# KiCad board Piunora.kicad_pcb

Outline 53.34 x 68.58 mm; copper layers: Top, In1.Cu, In2.Cu, Bottom. Coordinates in mm from the lower left corner of the outline.
Outline path: 0,67.58 arc(0.29,68.29) 1,68.58 52.34,68.58 arc(53.05,68.29) 53.34,67.58 53.34,4.06 51.82,2.54 40.39,2.54 37.85,0 5.08,0 2.54,2.54 1,2.54 arc(0.29,2.83) 0,3.54 0,67.58

## Placement (name value [footprint] x y rotation side)
@HOLE0  -  [unnamed]  2.54 54.61 0 top
AD  20609  [1X06_ROUND]  2.54 11.43 270 top
C1  10uF  [1206]  20.7 54.86 270 top
C2  10uF  [_0805MP]  46.38 57.89 0 top
C3  10uF  [_0805MP]  46.38 59.46 0 top
C4  10uF  [1206]  34.42 56.44 90 top
C5  10uF  [1206]  18.42 54.86 270 top
C6  10uF  [1206]  43.69 44.27 180 top
C7  10uF  [_0805MP]  16.28 15.9 270 top
C8  10uF  [1206]  43.69 46.61 180 top
C9  10uF  [1206]  43.69 48.92 180 top
C10  10uF  [_0805MP]  32.48 17.61 90 top
C11  10uF  [1206]  22.99 54.86 270 top
C12  0.1uF  [0603-MINI-CAP]  31.55 46.41 270 top
C14  22pF  [0603-MINI-CAP]  39.57 14.33 0 bottom
C15  10uF  [_0805MP]  36.37 13.44 270 bottom
C16  10uF  [_0805MP]  34.85 13.44 270 bottom
C17  10uF  [_0805MP]  36.47 9.93 90 bottom
C18  10uF  [_0805MP]  34.8 9.93 90 bottom
C19  10uF  [_0805MP]  33.38 13.44 270 bottom
C20  10uF  [_0805MP]  31.85 13.44 270 bottom
C21  10uF  [1206]  36.63 56.46 90 top
C22  10uF  [1206]  38.81 56.46 90 top
C23  0.1uF  [0603-MINI-CAP]  14.71 15.8 90 top
C24  10uF  [1206]  16.13 54.86 270 top
C25  0.1uF  [0603-MINI-CAP]  16.05 46.53 0 top
C26  0.1uF  [0603-MINI-CAP]  16.1 50.95 180 top
C27  10uF  [_0805MP]  14.12 53.75 270 top
CN2  -  [HDMI_MOLEX_47151-0001]  8.96 58.95 180 top
CONN1  STEMMA_I2C_QT  [JST_SH4]  50.42 55.25 90 top
IC1  TC7USB42MU,LF  [QFN40P140X180X55-10N]  34.04 46.08 90 top
IC2  MCP3008T-I_SL  [SOIC127P600X175-16N]  10.16 13.33 0 top
IC3  AP3441SHE-7B  [SON50P201X201X60-9N]  39.27 12.42 0 bottom
IC4  MC74VHC1G14DFT1G  [SOT65P210X110-5N]  43.69 16.08 270 top
IC5  AP22802AW5-7  [SOT95P285X130-5N]  16.08 48.84 0 top
IOH  20611  [1X10_ROUND]  50.8 38.35 270 top
IOL  20610  [1X08_ROUND]  50.8 13.97 270 top
J1  ZF1-15-01-T-WT  [ZF1-15-XX-ZZ-WT]  24.49 7.9 180 bottom
J2  1-2199119-1"  [12199119-1]  26.67 19.84 0 bottom
JP1  JUMPER-SMT_2_NO_SILK  [SMT-JUMPER_2_NO_SILK]  14.68 30.15 270 bottom
JP2  JUMPER-SMT_2_NC_TRACE_NO-SILK  [SMT-JUMPER_2_NC_TRACE_NO-SILK]  43.41 11.07 0 bottom
JP3  JUMPER-SMT_2_NC_TRACE_NO-SILK  [SMT-JUMPER_2_NC_TRACE_NO-SILK]  11.58 45.49 0 top
JP4  JUMPER-SMT_2_NO_SILK  [SMT-JUMPER_2_NO_SILK]  36.78 41.55 180 bottom
JP6  JUMPER-SMT_2_NO_NO-SILK-ROUNDED  [SMT-JUMPER_2_NO_NO-SILK-ROUNDED]  29.67 56.29 270 top
JP7  JUMPER-SMT_2_NO_NO-SILK-ROUNDED  [SMT-JUMPER_2_NO_NO-SILK-ROUNDED]  27.63 56.28 270 top
LED5  -  [CHIPLED_0603]  4.67 1.5 225 top
LED6  -  [CHIPLED_0603]  5.59 2.41 45 top
LED7  WS2812B3535  [LED3535]  19.28 66.07 90 top
MP1  WA-SMSI_9774XXX243_9774020243R-UNI  [WA-SMSI_9774020243-UNIVERSAL]  26.67 61.85 180 bottom
MP2  WA-SMSI_9774XXX243_9774020243R-UNI  [WA-SMSI_9774020243-UNIVERSAL]  26.67 49.86 180 bottom
POWER  20610  [1X08_ROUND]  2.54 31.75 270 top
R1  10K  [_0603MP]  47.29 51.93 135 top
R2  100k  [_0603MP]  39.57 16.41 0 bottom
R3  5.1K  [_0603MP]  36.92 61.11 90 top
R4  10K  [_0603MP]  45.9 55.73 135 top
R5  450k  [_0603MP]  39.6 15.39 180 bottom
R6  10k  [_0603MP]  41.94 15.72 90 top
R7  1k  [_0603MP]  46.2 14.33 270 top
R8  5.1K  [_0603MP]  36.92 64.07 270 top
S1  -  [SLIDE-SWITCH]  50.52 63.15 90 top
S2  -  [RIGHT-ANGLE-TACT-BTN]  16.79 1.95 0 top
TP1  TEST-POINT3X5  [PAD-1.5X2.0]  7.44 8.46 270 bottom
TP2  TEST-POINT3X5  [PAD-1.5X2.0]  7.44 10.69 270 bottom
TP3  TEST-POINT  [PAD-2MM]  34.8 37.92 180 bottom
TP4  TEST-POINT  [PAD-2MM]  16.79 41.27 180 bottom
U$2  -  [RASPBERRYPI-CM4]  9.65 30.99 270 top
U$6  -  [DIODES-DELIGHT-LOGO-15X15]  20.07 32.97 0 top
U$10  -  [DIODES-DELIGHT-LOGO-15X15-BTM]  33.2 32.94 180 bottom
U$11  -  [JE-USB-A-C42595]  28.65 62.69 180 top
U$13  -  [XKB-XKTF-015-N]  30.91 15.09 0 top
U$14  -  [4.5MM-TACT-SW]  3.91 42.85 90 top
U$19  -  [PIUNORA-TOP-SILK]  1.18 0.38 0 top
U$22  -  [PIUNORA-REV1-TOP]  17.04 23.32 0 top
U$23  -  [PIUNORA-BOTTOM-SILK]  3.66 4.19 0 top
U$27  -  [INDUCTOR]  42.93 14.53 90 bottom
U$34  -  [PIUNORA-URL]  8.53 13.36 0 top
U$37  SIM-NANO  [SIM07]  5.56 66.53 0 bottom
U$48  -  [TV_OUT0]  18.43 42.81 180 bottom
U$50  -  [RESET0]  16.01 31.84 180 bottom
U$51  -  [260]  35.66 41.58 180 bottom
U$52  -  [EN0]  39.4 41.58 180 bottom
U$53  -  [260]  15.39 28.44 180 bottom
U$54  -  [1#8V0]  38.1 37.83 180 bottom
U$55  -  [M#20]  43.59 9.98 180 bottom
U$56  -  [5V0]  44.82 9.97 180 bottom
U$57  -  [GND0]  46.74 9.74 180 bottom
X4  USB C  [USB-TYPE-C_16PIN-MALE-TYPE-C-31-M-12]  42.9 64.08 180 top

## Footprints (pads in the part's own frame, mm; a bottom-side part is the same pattern mirrored in y, then rotated)
1X06_ROUND
  round 1.93 hole 1: 1(-6.35,0) 2(-3.81,0) 3(-1.27,0) 4(1.27,0) 5(3.81,0) 6(6.35,0)
1X08_ROUND
  round 1.93 hole 1: 1(-8.89,0) 2(-6.35,0) 3(-3.81,0) 4(-1.27,0) 5(1.27,0) 6(3.81,0) 7(6.35,0) 8(8.89,0)
1X10_ROUND
  round 1.93 hole 1: 1(-11.43,0) 2(-8.89,0) 3(-6.35,0) 4(-3.81,0) 5(-1.27,0) 6(1.27,0) 7(3.81,0) 8(6.35,0) 9(8.89,0) 10(11.43,0)
4.5MM-TACT-SW
  rect 1.4x0.9 smd: P1(0.7,0) P2(6.8,0) P3(0.6,3) P4(6.8,3)
0603-MINI-CAP
  rect 0.9x0.9 smd: 1(-0.75,0) 2(0.75,0)
1206
  rect 1.6x1.8 smd: 1(-1.4,0) 2(1.4,0)
12199119-1
  round 1.15 hole 1.15 unplated: (-10,-1.775)
  round 1.65 hole 1.65 unplated: (10,-1.775)
  rect 0.3x1.55 smd: 1(-9.25,3.5) 2(-9,-4.05) 3(-8.75,3.5) 4(-8.5,-4.05) 5(-8.25,3.5) 6(-8,-4.05) 7(-7.75,3.5) 8(-7.5,-4.05) 9(-7.25,3.5) 10(-7,-4.05) 11(-6.75,3.5) 20(-4.5,-4.05) 21(-4.25,3.5) 22(-4,-4.05) 23(-3.75,3.5) 24(-3.5,-4.05) 25(-3.25,3.5) 26(-3,-4.05) 27(-2.75,3.5) 28(-2.5,-4.05) 29(-2.25,3.5) 30(-2,-4.05) 31(-1.75,3.5) 32(-1.5,-4.05) 33(-1.25,3.5) 34(-1,-4.05) 35(-0.75,3.5) 36(-0.5,-4.05) 37(-0.25,3.5) 38(0,-4.05) 39(0.25,3.5) 40(0.5,-4.05) 41(0.75,3.5) 42(1,-4.05) 43(1.25,3.5) 44(1.5,-4.05) 45(1.75,3.5) 46(2,-4.05) 47(2.25,3.5) 48(2.5,-4.05) 49(2.75,3.5) 50(3,-4.05) 51(3.25,3.5) 52(3.5,-4.05) 53(3.75,3.5) 54(4,-4.05) 55(4.25,3.5) 56(4.5,-4.05) 57(4.75,3.5) 58(5,-4.05) 59(5.25,3.5) 60(5.5,-4.05) 61(5.75,3.5) 62(6,-4.05) 63(6.25,3.5) 64(6.5,-4.05) 65(6.75,3.5) 66(7,-4.05) 67(7.25,3.5) 68(7.5,-4.05) 69(7.75,3.5) 70(8,-4.05) 71(8.25,3.5) 72(8.5,-4.05) 73(8.75,3.5) 74(9,-4.05) 75(9.25,3.5)
  rect 1.2x2.75 smd: MP1(-10.35,2.725) MP2(10.35,2.725)
_0603MP
  rect 0.8x0.8 smd: 1(-0.762,0) 2(0.762,0)
_0805MP
  rect 1.2x1.3 smd: 1(-1.016,0) 2(1.016,0)
CHIPLED_0603
  rect 0.8x0.8 smd: A(0,-0.75) C(0,0.75)
HDMI_MOLEX_47151-0001
  rect 0.3x2.6 smd: 1(4.5,0) 2(4,0) 3(3.5,0) 4(3,0) 5(2.5,0) 6(2,0) 7(1.5,0) 8(1,0) 9(0.5,0) 10(0,0) 11(-0.5,0) 12(-1,0) 13(-1.5,0) 14(-2,0) 15(-2.5,0) 16(-3,0) 17(-3.5,0) 18(-4,0) 19(-4.5,0)
  oval 1.65x3.3 hole 0.9: P$1(-7.25,-0.76) P$2(7.25,-0.76)
  oval 1.5x3 hole 0.9: P$3(7.25,-6.72) P$4(-7.25,-6.72)
INDUCTOR
  rect 1.1x3.8 smd: P$1(-1.5,0) P$2(1.5,0)
JE-USB-A-C42595
  rect 1.25x3 smd: D+(1,4.8) D-(-1,4.8)
  rect 1.25x3.3 smd: GND(3.5,4.65) VBUS(-3.5,4.65)
  oval 1.2x2.4 hole 0.4: SHIELD-1(-6.45,-3.75) SHIELD-2(6.45,-3.75)
JST_SH4
  rect 0.6x1.55 smd: 1(-1.5,2.514) 2(-0.5,2.514) 3(0.5,2.514) 4(1.5,2.514)
  rect 1.2x1.8 smd: MT1(-2.8,-1.386) MT2(2.8,-1.386)
LED3535
  rect 1x0.85 smd: 1(-1.75,0.875) 2(-1.75,-0.875) 3(1.75,-0.875) 4(1.75,0.875)
PAD-1.5X2.0
  rect 1.5x2 smd: P$1(0,0)
PAD-2MM
  rrect 2x2 smd: P$1(0,0)
QFN40P140X180X55-10N
  rect 0.8x0.2 smd: 1(-0.7,0.2) 2(-0.7,-0.2) 6(0.7,-0.2) 7(0.7,0.2)
  rect 0.2x0.8 smd: 3(-0.4,-0.9) 4(0,-0.9) 5(0.4,-0.9) 8(0.4,0.9) 9(0,0.9) 10(-0.4,0.9)
RASPBERRYPI-CM4
  round 2.7 hole 2.7 unplated: (-21.5,33.5) (-21.5,0.5) (26.5,33.5) (26.5,0.5)
  rect 0.2x0.7 smd: 1(9.8,35.54) 2(9.8,32.46) 3(9.4,35.54) 4(9.4,32.46) 5(9,35.54) 6(9,32.46) 7(8.6,35.54) 8(8.6,32.46) 9(8.2,35.54) 10(8.2,32.46) 11(7.8,35.54) 12(7.8,32.46) 13(7.4,35.54) 14(7.4,32.46) 15(7,35.54) 16(7,32.46) 17(6.6,35.54) 18(6.6,32.46) 19(6.2,35.54) 20(6.2,32.46) 21(5.8,35.54) 22(5.8,32.46) 23(5.4,35.54) 24(5.4,32.46) 25(5,35.54) 26(5,32.46) 27(4.6,35.54) 28(4.6,32.46) 29(4.2,35.54) 30(4.2,32.46) 31(3.8,35.54) 32(3.8,32.46) 33(3.4,35.54) 34(3.4,32.46) 35(3,35.54) 36(3,32.46) 37(2.6,35.54) 38(2.6,32.46) 39(2.2,35.54) 40(2.2,32.46) 41(1.8,35.54) 42(1.8,32.46) 43(1.4,35.54) 44(1.4,32.46) 45(1,35.54) 46(1,32.46) 47(0.6,35.54) 48(0.6,32.46) 49(0.2,35.54) 50(0.2,32.46) 51(-0.2,35.54) 52(-0.2,32.46) 53(-0.6,35.54) 54(-0.6,32.46) 55(-1,35.54) 56(-1,32.46) 57(-1.4,35.54) 58(-1.4,32.46) 59(-1.8,35.54) 60(-1.8,32.46) 61(-2.2,35.54) 62(-2.2,32.46) 63(-2.6,35.54) 64(-2.6,32.46) 65(-3,35.54) 66(-3,32.46) 67(-3.4,35.54) 68(-3.4,32.46) 69(-3.8,35.54) 70(-3.8,32.46) 71(-4.2,35.54) 72(-4.2,32.46) 73(-4.6,35.54) 74(-4.6,32.46) 75(-5,35.54) 76(-5,32.46) 77(-5.4,35.54) 78(-5.4,32.46) 79(-5.8,35.54) 80(-5.8,32.46) 81(-6.2,35.54) 82(-6.2,32.46) 83(-6.6,35.54) 84(-6.6,32.46) 85(-7,35.54) 86(-7,32.46) 87(-7.4,35.54) 88(-7.4,32.46) 89(-7.8,35.54) 90(-7.8,32.46) 91(-8.2,35.54) 92(-8.2,32.46) 93(-8.6,35.54) 94(-8.6,32.46) 95(-9,35.54) 96(-9,32.46) 97(-9.4,35.54) 98(-9.4,32.46) 99(-9.8,35.54) 100(-9.8,32.46) 101(9.8,1.54) 102(9.8,-1.54) 103(9.4,1.54) 104(9.4,-1.54) 105(9,1.54) 106(9,-1.54) 107(8.6,1.54) 108(8.6,-1.54) 109(8.2,1.54) 110(8.2,-1.54) 111(7.8,1.54) 112(7.8,-1.54) 113(7.4,1.54) 114(7.4,-1.54) 115(7,1.54) 116(7,-1.54) 117(6.6,1.54) 118(6.6,-1.54) 119(6.2,1.54) 120(6.2,-1.54) 121(5.8,1.54) 122(5.8,-1.54) 123(5.4,1.54) 124(5.4,-1.54) 125(5,1.54) 126(5,-1.54) 127(4.6,1.54) 128(4.6,-1.54) 129(4.2,1.54) 130(4.2,-1.54) 131(3.8,1.54) 132(3.8,-1.54) 133(3.4,1.54) 134(3.4,-1.54) 135(3,1.54) 136(3,-1.54) 137(2.6,1.54) 138(2.6,-1.54) 139(2.2,1.54) 140(2.2,-1.54) 141(1.8,1.54) 142(1.8,-1.54) 143(1.4,1.54) 144(1.4,-1.54) 145(1,1.54) 146(1,-1.54) 147(0.6,1.54) 148(0.6,-1.54) 149(0.2,1.54) 150(0.2,-1.54) 151(-0.2,1.54) 152(-0.2,-1.54) 153(-0.6,1.54) 154(-0.6,-1.54) 155(-1,1.54) 156(-1,-1.54) 157(-1.4,1.54) 158(-1.4,-1.54) 159(-1.8,1.54) 160(-1.8,-1.54) 161(-2.2,1.54) 162(-2.2,-1.54) 163(-2.6,1.54) 164(-2.6,-1.54) 165(-3,1.54) 166(-3,-1.54) 167(-3.4,1.54) 168(-3.4,-1.54) 169(-3.8,1.54) 170(-3.8,-1.54) 171(-4.2,1.54) 172(-4.2,-1.54) 173(-4.6,1.54) 174(-4.6,-1.54) 175(-5,1.54) 176(-5,-1.54) 177(-5.4,1.54) 178(-5.4,-1.54) 179(-5.8,1.54) 180(-5.8,-1.54) 181(-6.2,1.54) 182(-6.2,-1.54) 183(-6.6,1.54) 184(-6.6,-1.54) 185(-7,1.54) 186(-7,-1.54) 187(-7.4,1.54) 188(-7.4,-1.54) 189(-7.8,1.54) 190(-7.8,-1.54) 191(-8.2,1.54) 192(-8.2,-1.54) 193(-8.6,1.54) 194(-8.6,-1.54) 195(-9,1.54) 196(-9,-1.54) 197(-9.4,1.54) 198(-9.4,-1.54) 199(-9.8,1.54) 200(-9.8,-1.54)
RIGHT-ANGLE-TACT-BTN
  round 0.85 hole 0.85 unplated: (0,1.375) (0,-1.375)
  rrect 1.55x1 smd: 1(2.625,0.85)
  rect 1.55x1 smd: 2(2.625,-0.85) 3(-2.625,0.85) 4(-2.625,-0.85)
SIM07
  rect 0.45x1 smd: C1-1(6.43,0) C1-2(5.08,0) C2-1(3.89,0) C2-2(2.54,0) C3-1(1.35,0) C3-2(0,0)
  rect 0.75x1.15 smd: C5(5.78,10.83) C6(3.21,10.83) C7(1.32,10.83) CD(4.73,10.83)
  rect 0.9x1.9 smd: SHIELD1(-1.44,0.55) SHIELD2(7.87,0.55) SHIELD3(7.87,8.99) SHIELD4(-1.44,8.99)
  rect 1.4x1.35 smd: SHIELD5(-0.39,10.93)
  rect 1.05x1 smd: SHIELD6(6.99,11.04)
SLIDE-SWITCH
  round 0.9 hole 0.9 unplated: (-1.5,0) (1.5,0)
  rect 0.7x1.5 smd: 1(-2.25,1.75) 2(0.75,1.75) 3(2.25,1.75)
  rect 1x0.8 smd: 4(-3.65,1.1) 5(-3.65,-1.1) 6(3.65,1.1) 7(3.65,-1.1)
SMT-JUMPER_2_NC_TRACE_NO-SILK
  rect 0.635x1.27 smd: 1(-0.508,0) 2(0.508,0)
SMT-JUMPER_2_NO_NO-SILK-ROUNDED
  rrect 0.508x1.143 smd: 1(-0.356,0) 2(0.356,0)
SMT-JUMPER_2_NO_SILK
  rect 0.635x1.27 smd: 1(-0.406,0) 2(0.406,0)
SOIC127P600X175-16N
  rect 1.5x0.65 smd: 1(-2.7,4.445) 2(-2.7,3.175) 3(-2.7,1.905) 4(-2.7,0.635) 5(-2.7,-0.635) 6(-2.7,-1.905) 7(-2.7,-3.175) 8(-2.7,-4.445) 9(2.7,-4.445) 10(2.7,-3.175) 11(2.7,-1.905) 12(2.7,-0.635) 13(2.7,0.635) 14(2.7,1.905) 15(2.7,3.175) 16(2.7,4.445)
SON50P201X201X60-9N
  rect 0.7x0.3 smd: 1(-1.05,0.75) 2(-1.05,0.25) 3(-1.05,-0.25) 4(-1.05,-0.75) 5(1.05,-0.75) 6(1.05,-0.25) 7(1.05,0.25) 8(1.05,0.75)
  rect 1x1.8 smd: 9(0,0)
SOT65P210X110-5N
  rect 0.85x0.4 smd: 1(-1.05,0.65) 2(-1.05,0) 3(-1.05,-0.65) 4(1.05,-0.65) 5(1.05,0.65)
SOT95P285X130-5N
  rect 1.15x0.6 smd: 1(-1.3,0.95) 2(-1.3,0) 3(-1.3,-0.95) 4(1.3,-0.95) 5(1.3,0.95)
unnamed
  round 3.2 hole 3.2 unplated: (0,0)
USB-TYPE-C_16PIN-MALE-TYPE-C-31-M-12
  round 0.75 hole 0.75 unplated: (-2.89,1.026) (2.89,1.026)
  oval 1.2x2.4 hole 0.7: 0(-4.32,1.556) 0-1(4.32,1.556) 0-2(4.32,-2.624) 0-3(-4.32,-2.624)
  rect 0.3x1.3 smd: A1(-3.35,2.623) A4(-2.55,2.623) A5(-1.25,2.623) A6(-0.25,2.623) A7(0.25,2.623) A8(1.25,2.624) A9(2.55,2.623) A12(3.35,2.623) B1(3.05,2.623) B4(2.25,2.623) B5(1.75,2.623) B6(0.75,2.623) B7(-0.75,2.623) B8(-1.75,2.624) B9(-2.25,2.623) B12(-3.05,2.623)
WA-SMSI_9774020243-UNIVERSAL
  round 3.82 hole 3.82 unplated: (0,0)
  rrect 6.2x6.2 smd: 1(0,0)
XKB-XKTF-015-N
  round 1 hole 1 unplated: (-7.15,-11) (0.85,-11)
  rect 0.7x1.6 smd: P1(0,0) P2(-1.1,0) P3(-2.2,0) P4(-3.3,0) P5(-4.4,0) P6(-5.5,0) P7(-6.6,0) P8(-7.7,0) P9(-8.8,0)
  rect 1.6x1.5 smd: P10(4.65,-1)
  rect 1.2x1.5 smd: P11(-9.95,-1)
  rect 1.2x2.2 smd: P12(-9.95,-10.6) P13(5.55,-10.6)
ZF1-15-XX-ZZ-WT
  rect 0.6x1.8 smd: 1(-7,0) 2(-6,0) 3(-5,0) 4(-4,0) 5(-3,0) 6(-2,0) 7(-1,0) 8(0,0) 9(1,0) 10(2,0) 11(3,0) 12(4,0) 13(5,0) 14(6,0) 15(7,0)
  rect 2.4x2.5 smd: 16(-9.2,-2.54) 17(9.2,-2.54)

## Nets
1.8V: TP3.P$1 U$2.88 U$2.90
3.3V: C7.1 C10.1 C12.2 C23.2 CONN1.2 IC1.9 IC2.15 IC2.16 IC4.5 IOH.3 J1.15 LED6.A LED7.2 POWER.2 POWER.4 R1.1 R4.1 S1.1 U$2.78 U$2.84 U$2.86 U$13.P4
5V-M.2: C17.1 C18.1 IC3.3 JP2.1
5V_HDMI: C26.2 C27.1 CN2.18 IC5.1
+5V: C1.1 C2.1 C3.1 C4.1 C5.1 C6.1 C8.1 C9.1 C11.1 C21.1 C22.1 C24.1 C25.2 IC5.4 IC5.5 JP2.2 POWER.5 POWER.8 U$2.77 U$2.79 U$2.81 U$2.83 U$2.85 U$2.87 U$11.VBUS X4.A4 X4.A9 X4.B4 X4.B9
GND: C1.2 C2.2 C3.2 C4.2 C5.2 C6.2 C7.2 C8.2 C9.2 C10.2 C11.2 C12.1 C15.2 C16.2 C17.2 C18.2 C19.2 C20.2 C21.2 C22.2 C23.1 C24.2 C25.1 C26.1 C27.2 CN2.2 CN2.5 CN2.8 CN2.11 CN2.17 CN2.P$1 CN2.P$2 CN2.P$3 CN2.P$4 CONN1.1 CONN1.MT1 CONN1.MT2 IC1.3 IC1.8 IC2.9 IC2.14 IC3.4 IC3.8 IC3.9 IC4.3 IC5.2 IOH.4 J1.1 J1.4 J1.7 J1.10 J1.16 J1.17 J2.3 J2.5 J2.11 J2.27 J2.33 J2.39 J2.45 J2.51 J2.57 J2.71 J2.73 LED5.C LED7.4 MP1.1 MP2.1 POWER.1 POWER.6 POWER.7 R2.2 R3.1 R8.1 S1.3 S2.2 S2.4 U$2.1 U$2.2 U$2.7 U$2.8 U$2.13 U$2.14 U$2.22 U$2.23 U$2.32 U$2.33 U$2.42 U$2.43 U$2.52 U$2.53 U$2.59 U$2.60 U$2.65 U$2.66 U$2.71 U$2.74 U$2.98 U$2.107 U$2.108 U$2.113 U$2.114 U$2.119 U$2.120 U$2.125 U$2.126 U$2.131 U$2.132 U$2.137 U$2.138 U$2.144 U$2.150 U$2.155 U$2.156 U$2.161 U$2.162 U$2.167 U$2.168 U$2.173 U$2.174 U$2.179 U$2.180 U$2.185 U$2.186 U$2.191 U$2.192 U$2.197 U$2.198 U$11.GND U$11.SHIELD-1 U$11.SHIELD-2 U$13.P6 U$13.P10 U$13.P11 U$13.P12 U$13.P13 U$14.P1 U$14.P2 U$37.C5 U$37.SHIELD1 U$37.SHIELD2 U$37.SHIELD3 U$37.SHIELD4 U$37.SHIELD5 U$37.SHIELD6 X4.0 X4.0-1 X4.0-2 X4.0-3 X4.A1 X4.A12 X4.B1 X4.B12
1D_N: IC1.4 JP6.1 U$11.D-
1D_P: IC1.5 JP7.1 U$11.D+
2D_N: IC1.6 X4.A7 X4.B7
2D_P: IC1.7 X4.A6 X4.B6
3.3-M.2: C14.2 C15.1 C16.1 C19.1 C20.1 J2.2 J2.4 J2.70 J2.72 J2.74 R5.1 U$27.P$2
ACTIVITY-LED: LED6.C R7.2
AD0: AD.1 IC2.1
AD1: AD.2 IC2.2
AD2: AD.3 IC2.3
AD3: AD.4 IC2.4
AD4: AD.5 IC2.5
AD5: AD.6 IC2.6
AD6: IC2.7 TP2.P$1
AD7: IC2.8 TP1.P$1
AIN0: U$2.96
AIN1: U$2.94
CAM1_C_N: J1.8 U$2.127
CAM1_C_P: J1.9 U$2.129
CAM1_D0_N: J1.2 U$2.115
CAM1_D0_P: J1.3 U$2.117
CAM1_D1_N: J1.5 U$2.121
CAM1_D1_P: J1.6 U$2.123
CAM1_D2_N: U$2.133
CAM1_D2_P: U$2.135
CAM1_D3_N: U$2.139
CAM1_D3_P: U$2.141
CAMERA_GPIO: J1.11 U$2.97
CEC: CN2.13 U$2.151
GLOBAL_EN: JP4.1 U$2.99
GPIO4: IOL.7 U$2.54
GPIO5: IOL.8 U$2.34
GPIO6: IOH.10 U$2.30
GPIO7: IOH.9 U$2.37
GPIO8: IOH.8 U$2.39
GPIO9: IOH.6 U$2.40
GPIO10: IOH.7 U$2.44
GPIO11: IOH.5 U$2.38
GPIO12: LED7.1 U$2.31
GPIO13: IC2.12 U$2.28
GPIO14: IC2.11 U$2.55
GPIO15: IC2.13 U$2.51
GPIO16: J2.10 U$2.29
GPIO17: J2.8 U$2.50
GPIO18: IOL.6 U$2.49
GPIO19: IOL.5 U$2.26
GPIO20: IOL.4 U$2.27
GPIO21: IOL.3 U$2.25
GPIO22: IOL.2 U$2.46
GPIO23: IOL.1 U$2.47
GPIO24: IC2.10 U$2.45
GPIO25: JP3.1 U$2.41 U$14.P3 U$14.P4
GPIO26: JP1.2 JP4.2 S2.1 S2.3 U$2.24
GPIO27: J2.6 U$2.48
HDMI_CK_N: CN2.12 U$2.190
HDMI_CK_P: CN2.10 U$2.188
HDMI_D0_N: CN2.9 U$2.184
HDMI_D0_P: CN2.7 U$2.182
HDMI_D1_N: CN2.6 U$2.178
HDMI_D1_P: CN2.4 U$2.176
HDMI_D2_N: CN2.3 U$2.172
HDMI_D2_P: CN2.1 U$2.170
HDMI_SCL: CN2.15 U$2.200
HDMI_SDA: CN2.16 U$2.199
HOTPLUG: CN2.19 U$2.153
ID_SC: U$2.35
ID_SD: U$2.36
M2_USB_N: J2.9 JP6.2
M2_USB_P: J2.7 JP7.2
N$7: R8.2 X4.A5
N$8: R3.2 X4.B5
N$19: IC3.6 U$27.P$1
N$22: C14.1 IC3.1 R2.1 R5.2
PCIE_CLK_N: J2.53 U$2.112
PCIE_CLK_P: J2.55 U$2.110
PCIE_RX_N: J2.41 U$2.118
PCIE_RX_P: J2.43 U$2.116
PCIE_TX_N: J2.47 U$2.124
PCIE_TX_P: J2.49 U$2.122
POWER-LED: LED5.A R6.2
PWR_LED: IC4.4 R6.1
RUN_PG: IC3.7 JP1.1 POWER.3 U$2.92
SCL0: J1.13 U$2.80
SCL1: CONN1.4 IOH.1 R1.2 U$2.56
SD_CLK: U$2.57 U$13.P5
SD_CMD: U$2.62 U$13.P3
SD_DAT0: U$2.63 U$13.P7
SD_DAT1: U$2.67 U$13.P8
SD_DAT2: U$2.69 U$13.P1
SD_DAT3: U$2.61 U$13.P2
SDA0: J1.14 U$2.82
SDA1: CONN1.3 IOH.2 R4.2 U$2.58
TV_OUT: TP4.P$1 U$2.111
UIM-CLK: J2.32 U$37.C3-1 U$37.C3-2
UIM-DATA: J2.34 U$37.C7
UIM-PWR: J2.36 U$37.C1-1 U$37.C1-2 U$37.C6
UIM-RESET: J2.30 U$37.C2-1 U$37.C2-2
USB2_N: IC1.2 U$2.103
USB2_P: IC1.1 U$2.105
USB-SELECT: IC1.10 S1.2 U$2.101
~{BT_DISABLE}: U$2.91
~{EEPROM_WP}: U$2.20
~{EXTRST}: U$2.100
~{PCIE_CLK_REQ}: J2.52 U$2.102
~{PCIE_RST}: J2.50 U$2.109
~{PI_LED_ACTIVITY}: R7.1 U$2.21
~{PWR_LED}: IC4.2 U$2.95
~{RPIBOOT}: JP3.2 U$2.93
~{WL_DISABLE}: U$2.89

Pads without a net: CN2 14; IC3 2 5; IC4 1; IC5 3; J1 12; J2 1 20 21 22 23 24 25 26 28 29 31 35 37 38 40 42 44 46 48 54 56 58 59 60 61 62 63 64 65 66 67 68 69 75 MP1 MP2; LED7 3; S1 4 5 6 7; U$2 3 4 5 6 9 10 11 12 15 16 17 18 19 64 68 70 72 73 75 76 104 106 128 130 134 136 140 142 143 145 146 147 148 149 152 154 157 158 159 160 163 164 165 166 169 171 175 177 181 183 187 189 193 194 195 196; U$13 P9; U$37 CD; X4 A8 B8

## Via types
v1: diameter 0.46, hole 0.2, Top to Bottom, 490 vias
v2: diameter 0.61, hole 0.35, Top to Bottom, 74 vias
v3: diameter 0.51, hole 0.25, Top to Bottom, 6 vias

## Routing (per net, layer and track width the routed paths; a pad name or vN(x,y) marks a point on that pad's centre or on a via; arc(x,y) is an arc through that point)
1.8V: length 9
  Top w0.152: U$2.88 U$2.90 40.11,38.79 v1(38.79,37.47)
  In1.Cu w0.152: v1(38.79,37.47) 37.72,38.53 35.41,38.53 TP3.P$1
3.3V: length 125.1
  Top w0.127: U$2.84 42.12,37.59 42.57,37.59 42.72,37.44 42.72,36.53 42.59,36.39 U$2.78 ; v1(42.42,9.22) 42.42,12.75 44.34,14.67 IC4.5 ; LED7.2 20.15,63.59 21.08,62.66 22.33,62.66 23.04,63.37 23.04,64.06 24.79,65.81 28.91,65.81 31.04,63.68 31.04,55.32 33.2,53.16 v1(34.04,53.16)
  Top w0.203: C12.2 31.87,46.08 IC1.9 ; C7.1 15.94,16.58
  Top w0.254: R4.1 46.88,54.75 CONN1.2 ; v1(48.54,60.35) 48.54,60.66 S1.1
  Top w0.305: v3(7.67,3.07) 7.31,3.07 LED6.A ; v1(31.52,44.91) 31.52,45.73 C12.2 ; U$2.86 41.49,37.99 v1(41.27,38.2) 40.77,38.2 v1(40.74,38.18) ; v1(40.74,37.67) 40.77,37.69 v1(41.27,37.69) 41.38,37.59 U$2.84 ; U$13.P4 27.61,16.1 28.01,16.5 32.38,16.5 C10.1 33.45,16.84 35.84,19.23 35.84,19.79 36.32,20.27 37.97,20.27 38.23,20.52 v1(38.23,21.26) v1(38.23,21.79) v1(38.23,22.33)
  Top w0.406: v2(14.5,18.14) 14.71,17.93 C23.2 ; R4.1 45.64,54.34 v1(45.64,53.95) 45.64,51.7 46.12,51.23 47.67,51.23 R1.1 47.85,51.37 47.85,46.41 47.88,46.41 49.58,44.7 IOH.3 ; C23.2 14.86,16.7 ; C23.2 14.65,16.51 IC2.15 IC2.16 ; C23.2 15.91,16.55 15.94,16.58 15.82,16.62
  Top w0.508: POWER.4 4.17,33.02 5.21,31.98 v1(5.21,29.29)
  In1.Cu w0.254: v1(45.64,53.95) 48.74,57.05 48.74,60.15 v1(48.54,60.35)
  In1.Cu w0.305: 17.5,5.44 17.5,6.82 17.49,6.83 J1.15 ; 17.5,5.44 17.48,5.46 v2(17.48,4.44) ; 17.5,5.44 18.19,4.75 v2(18.19,4.47) ; v2(40.35,49.37) v2(40.35,50.07) v2(40.35,50.77) v2(40.35,51.47) 40.83,51.47 41.83,50.47 44.35,50.47 45.64,51.77 v1(45.64,53.95)
  In1.Cu w0.406: v2(14.5,18.14) 14.5,20.27 14.96,20.73 14.96,24.28 15.8,25.12 v2(15.8,28.27) 16.23,28.7 v2(16.43,28.7) 16.97,29.24 v2(16.99,29.24)
  In2.Cu w0.508: v1(5.71,29.29) v1(5.21,29.29) v1(4.67,29.29)
5V_HDMI: length 12.6
  Top w0.203: C26.2 14.78,50.38 IC5.1 14.78,50.25 13.08,51.94 13.08,54.43 13.41,54.76 C27.1 14.12,55.73 12.96,56.89 CN2.18
+5V: length 105.5
  Top w0.203: C25.2 17.38,47.11 IC5.4 IC5.5 18.68,49.79 v2(18.72,49.83)
  Top w0.254: X4.B9 X4.A4 45.31,61.32 45.31,61 ; X4.A9 40.42,61.52 40.59,61.52 X4.B4
  Top w0.305: U$2.87 46.2,38.39 v2(46.2,38.3) ; U$2.85 46.08,37.99 ; 46.08,37.99 46.08,37.36 ; 46.08,37.99 46.2,37.99 v2(46.2,38.3) ; 46.08,37.36 46.08,36.39 U$2.77 ; 46.08,37.36 46.08,36.79 U$2.79 ; 40.5,61.31 40.53,61.34 40.53,61.36 40.63,61.46 X4.B4 ; U$2.83 46.1,37.59 46.1,38.2 v2(46.2,38.3) ; v2(46.2,38.3) 46.05,38.15 46.05,37.19 U$2.81
  Top w0.406: 40.5,60.78 40.5,61.31
  Top w0.508: C3.1 44.89,59.93 v2(44.55,59.93) ; C3.1 45.14,59.23 v2(44.55,59.23) ; C3.1 45.34,59.49 45.34,61.02 45.31,61 ; C3.1 C2.1 ; C2.1 45.05,57.89 v2(44.55,57.39) ; C2.1 45.2,57.89 v2(44.55,58.53) ; C4.1 34.44,55.06 C21.1 C22.1 39.09,55.07
  Top w0.61: 40.5,60.78 40.5,56.48 39.09,55.07
  In1.Cu w0.203: v2(18.72,49.83) 15.7,49.83 14.25,51.28 14.25,55.12 15.21,56.08 15.85,56.08 16.81,57.04 v2(16.81,57.18) ; 43.94,11.07 JP2.2
  In1.Cu w0.305: 43.94,11.07 44.15,10.87 44.26,10.87 v1(44.39,11) ; 43.94,11.07 44.36,10.66 v1(44.36,10.45) 44.02,10.45 ; 43.94,11.07 JP2.2 43.68,10.94 v1(43.68,10.43) 43.78,10.53 44.02,10.53 ; 43.94,11.07 43.93,11.09 ; 43.92,11.1 43.93,11.09 ; 43.93,11.09 v1(44.39,11.54) ; 36.47,8.92 34.8,8.92 ; 36.47,8.92 36.54,9.13 37.46,10.06 37.46,12.67 38.22,12.67 ; 36.47,8.92 36.53,9.11 38.07,10.65 42.9,10.65 42.9,11.07
  In1.Cu w0.406: 44.02,10.49 44.02,10.48 43.7,10.48 v1(43.7,10.97) ; 44.02,10.49 44.02,10.53 ; 44.02,10.49 44.02,10.45
  In1.Cu w0.508: 42.9,11.07 43.89,11.07
  In2.Cu w0.406: POWER.8 1.4,22.86 0.84,23.42 0.84,29.64 1.68,30.48 POWER.5 4.9,30.48 5.71,31.29 5.71,55.94
  vias: v1(43.7,11.53) v2(15.35,57.17) v2(16.05,57.17) v2(17.9,57.2) v2(18.74,57.2) v2(19.53,57.2) v2(20.29,57.2) v2(21.01,57.23) v2(21.69,57.2) v2(22.4,57.23) v2(23.11,57.2) v2(23.77,57.2) v2(33.55,56.07) v2(34.25,56.07) v2(34.95,56.07) v2(35.75,56.07) v2(36.45,56.07) v2(37.15,56.07) v2(38.05,56.07) v2(38.85,56.07) v2(39.67,55.65) v2(40.41,56.11) v2(45.49,49.63) v2(45.49,48.97) v2(45.47,47.6) v2(45.47,46.96) v2(45.47,45.57) v2(45.47,44.86) v2(45.47,43.97) v2(45.47,43.28) v2(47.42,41.66) v2(47.45,38.71) v2(48.01,43.54)
GND: length 43.1
  Top w0.127: v1(8.97,23.57) 8.13,23.57 U$2.114 ; 11.99,24.54 11.74,24.79 U$2.119 ; v1(41.12,27.33) 41.41,27.33 41.55,27.19 U$2.32 ; v1(41.3,34.37) 41.68,33.99 U$2.66 ; U$2.22 42.71,25.19 42.85,25.04 42.85,23.72 42.71,23.59 U$2.14 ; U$2.74 41.53,35.59 41.35,35.76 41.35,36.37 41.17,36.55 40.51,36.55 v1(40.11,36.14) ; U$2.60 42.7,32.79 42.93,32.56
  Top w0.152: 45.98,29.41 45.8,29.59 U$2.43
  Top w0.203: C25.1 15.3,46.67 v2(15.93,47.29)
  Top w0.254: X4.A1 X4.B12 ; X4.A12 X4.B1
  Top w0.305: 25.41,15.58 U$13.P6
  Top w0.406: C10.2 32.48,19.58 v2(32.82,19.91) ; IC2.14 14.67,15.24 14.67,15.09 C23.1 16.12,15.05 C7.2
  Top w0.508: X4.A12 38.58,62.43 X4.0-1 ; X4.0 47.22,62.43 X4.A1
  In1.Cu w0.254: 34.85,17.58 34.92,17.51 J2.71 34.92,15.5 34.92,15.49 ; v1(18.42,17.78) 18.42,17.77 J2.5 ; v1(31.75,19.38) 31.75,17.65 31.42,17.32 J2.57 ; v1(35.71,17.7) 35.42,17.41 J2.73 35.43,16.32 35.43,15.49 ; J2.33 25.42,18.26 ; v1(23.93,17.96) 23.93,16.34 J2.27 ; v1(19.79,18.25) 19.92,18.12 J2.11 ; v1(17.91,17.78) 17.91,16.35 J2.3 ; v1(26.29,18.52) 26.29,18.03 26.92,17.4 J2.39
  In1.Cu w0.305: 38.96,13.16 v1(38.96,12.9) ; 38.96,13.16 38.95,13.17 IC3.4 38.22,13.3 v1(38.38,13.46) ; 38.96,13.16 38.96,13.36 v1(38.86,13.46) ; v1(39.47,11.58) 40.23,11.58 IC3.8 40.03,11.38 v1(39.93,11.38)
  vias: v1(1.04,67.72) v1(1.04,62) v1(3.9,57.39) v1(4.05,65.8) v1(4.1,48.45) v1(4.09,46.1) v1(4.11,45.02) v1(4.13,52.62) v1(4.14,51.14) v1(4.13,47.31) v1(4.14,42.1) v1(4.22,39.42) v1(4.22,36.58) v1(4.32,56.82) v1(4.97,57.49) v1(5.13,24.51) v1(5.21,19.41) v1(5.71,56.87) v1(6.15,18.44) v1(6.38,36.88) v1(6.46,57.48) v1(6.78,34.34) v1(7.1,38.04) v1(7.2,56.81) v1(7.14,35.57) v1(7.14,24.79) v1(7.57,19.35) v1(7.96,57.49) v1(8,51.03) v1(7.92,43.92) v1(7.92,42.7) v1(7.92,41.41) v1(8.05,52.57) v1(8.13,49.4) v1(8.13,47.42) v1(8.13,46.05) v1(8.38,53.37) v1(8.7,56.77) v1(8.81,39.19) v1(8.81,37.97) v1(8.79,36.78) v1(8.81,35.56) v1(8.84,34.42) v1(8.97,54.04) v1(8.97,29.59) v1(8.97,24.28) v1(8.97,22.83) v1(8.99,22.02) v1(9.04,40.34) v1(9.04,28.45) v1(9.25,24.84) v1(9.46,57.47) v1(9.75,54.37) v1(9.73,27.56) v1(9.75,15.06) v1(10.2,56.74) v1(10.13,23.24) v1(10.21,16.87) v1(10.31,28.42) v1(10.36,36.78) v1(10.34,25.98) v1(10.59,48.31) v1(10.54,47.02) v1(10.57,18.21) v1(10.74,43.08) v1(10.82,13.87) v1(11.46,17.83) v1(11.63,9.12) v1(12.19,40) v1(12.19,39.24) v1(12.19,37.97) v1(12.19,36.8) v1(12.19,35.59) v1(12.19,34.37) v1(12.19,33.2) v1(12.19,27.25) v1(12.27,28.37) v1(12.42,57.2) v1(12.47,22.43) v1(12.78,25.76) v1(12.78,25.02) v1(12.93,49.58) v1(13.36,23.32) v1(13.33,19.35) v1(13.51,66) v1(13.49,27.48) v1(13.46,25.7) v1(13.49,21.69) v1(14.05,17.53) v1(14.12,22.33) v1(14.3,9.55) v1(14.25,8.81) v1(14.35,21.21) v1(14.45,4.55) v1(14.71,14.12) v1(14.94,44.73) v1(14.99,9.86) v1(15.77,39.55) v1(15.75,23.98) v1(15.87,48.79) v1(15.98,12.83) v1(15.93,4.57) v1(16.46,9.8) v1(16.71,13.92) v1(16.84,63.32) v1(16.87,22.83) v1(17.18,27.22) v1(17.42,18.21) v1(17.81,21.36) v1(17.88,58.75) v1(17.88,58.12) v1(18.26,66.75) v1(18.29,19.35) v1(18.24,15.09) v1(18.42,26.67) v1(18.45,43.8) v1(18.49,12.09) v1(18.59,36.07) v1(18.69,47.37) v1(18.67,39.73) v1(18.64,32.28) v1(18.9,9.25) v1(18.97,21.31) v1(19.02,66.73) v1(19.81,47.37) v1(19.81,39.73) v1(19.79,27.53) v1(19.82,36.09) v1(19.86,32.18) v1(20.27,43.43) v1(20.7,9.63) v1(20.95,13.69) v1(20.93,4.95) v1(20.95,3.73) v1(21.31,51.23) v1(21.36,19.38) v1(21.39,18.26) v1(21.59,21.39) v1(21.79,64.34) v1(21.79,63.47) v1(21.74,32.46) v1(22.17,50.37) v1(22.17,29.87) v1(22.4,13.28) v1(23.14,18.14) v1(23.27,9.6) v1(23.42,58.83) v1(23.42,21.31) v1(23.44,58.19) v1(23.72,13.26) v1(24,58.85) v1(24.03,58.22) v1(24.36,54.41) v1(24.33,21.31) v1(24.61,9.65) v1(24.71,19.35) v1(24.87,53.09) v1(25.02,55.98) v1(25.07,17.91) v1(25.02,13.33) v1(25.22,9.68) v1(25.48,9.14) v1(25.81,9.7) v1(25.83,35.76) v1(25.96,13.31) v1(26.24,33.6) v1(26.31,21.31) v1(26.37,57.45) v1(26.39,17.83) v1(26.42,9.63) v1(26.47,55.58) v1(26.85,18.8) v1(27.56,9.68) v1(27.66,19.66) v1(27.79,21.31) v1(27.84,13.56) v1(28.04,11.71) v1(28.17,19) v1(28.38,54.78) v1(28.4,17.73) v1(28.47,38.73) v1(28.6,18.39) v1(28.91,21.34) v1(29.36,13.74) v1(29.36,9.7) v1(29.45,55.31) v1(29.67,37.97) v1(29.82,21.03) v1(29.9,17.81) v1(29.95,52.76) v1(29.97,19.18) v1(30.58,51.97) v1(30.58,50.83) v1(30.63,10.06) v1(31.06,9.63) v1(31.19,19.08) v1(31.52,13.11) v1(31.52,9.19) v1(31.78,53.42) v1(31.85,41.81) v1(32.16,13.11) v1(32.36,50.75) v1(32.32,8.24) v1(32.77,40.97) v1(33.02,13.16) v1(33.07,4.65) v1(33.25,51.58) v1(33.38,47.52) v1(33.32,44.27) v1(33.58,49.59) v1(33.6,13.16) v1(33.65,19.84) v1(33.99,10.59) v1(34.36,50.39) v1(34.34,4.67) v1(34.49,13.18) v1(34.49,11.66) v1(34.61,7.67) v1(34.65,47.5) v1(34.75,44.27) v1(35.08,11.66) v1(35.61,12.75) v1(35.61,12.17) v1(35.61,11.51) v1(35.61,10.95) v1(35.79,60.22) v1(35.76,47.29) v1(35.94,64.54) v1(35.97,50.9) v1(36.6,45.57) v1(36.55,4.93) v1(36.53,3.81) v1(36.96,49.86) v1(37,47.72) v1(37.21,52.07) v1(37.49,13.69) v1(37.97,34.24) v1(38.2,51.08) v1(38.18,18.95) v1(38.33,53.16) v1(38.33,18.34) v1(38.81,19.25) v1(39.01,53.8) v1(38.96,11.58) v1(39.12,3.66) v1(39.22,4.67) v1(39.24,52.17) v1(39.47,12.09) v1(39.57,30.33) v1(40.08,37.72) v1(40.56,17.53) v1(40.56,16.97) v1(40.77,34.06) v1(40.87,5.33) v1(40.87,3.84) v1(41.15,49.57) v1(41.15,48.97) v1(41.15,48.37) v1(41.15,47.67) v1(41.15,47.07) v1(41.15,46.37) v1(41.15,45.77) v1(41.15,45.17) v1(41.15,44.57) v1(41.15,44.07) v1(41.15,43.47) v1(41.3,23.55) v1(41.27,22.71) v1(41.35,39.67) v1(41.33,28.85) v1(41.48,56.21) v1(41.99,57.38) v1(42.07,59.54) v1(42.93,18.47) v1(43.28,59.72) v1(43.28,58.27) v1(43.69,31.45) v1(43.74,18.82) v1(44.17,28.22) v1(44.3,30.12) v1(44.37,32.72) v1(44.88,41.83) v1(44.98,17.5) v1(45.31,16.97) v1(45.34,16.31) v1(45.36,11.28) v1(45.36,10.54) v1(45.75,10.9) v1(45.97,16.28) v1(46.02,33.73) v1(46.05,23.62) v1(46.18,34.39) v1(46.18,25.59) v1(46.15,21.69) v1(46.13,11.25) v1(46.13,10.54) v1(46.33,31.8) v1(46.43,53.64) v1(47.22,3.71) v1(47.45,33.25) v1(47.62,27.53) v1(47.8,52.96) v1(48.03,59.77) v1(48.03,59.03) v1(48.06,58.27) v1(48.07,57.59) v1(48.56,33.23) v2(15.25,52.27) v2(16.05,52.27) v2(16.85,52.27) v2(17.65,52.27) v2(18.35,52.27) v2(19.05,52.27) v2(19.75,52.27) v2(20.45,52.27) v2(21.25,52.27) v2(21.95,52.27) v2(22.45,54.47) v2(23.45,54.47) v2(33.55,58.97) v2(34.25,58.97) v2(35.05,58.97) v2(35.75,58.97) v2(36.55,58.97) v2(37.35,58.97) v2(38.05,58.97) v2(38.75,60.57) v2(38.75,58.97) v2(39.45,58.97)